# Altium PCB 原理图.PcbDoc
Units mm, origin at the board's own origin, x right, y up, seen from the top; angles counter-clockwise.
Board outline 150.37 x 30.35 mm, 2 copper layers (Top Layer, Bottom Layer); 65 components, 56 nets, 199 pads, 28 vias.
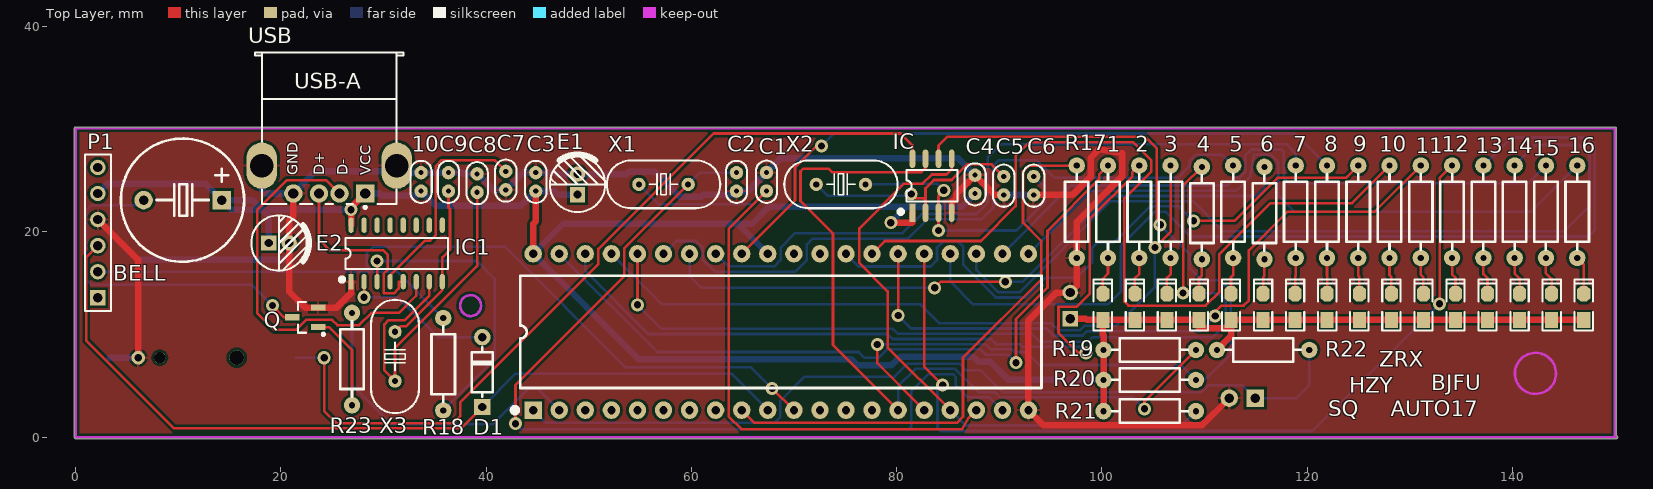
[diagram p0: Top Layer view]
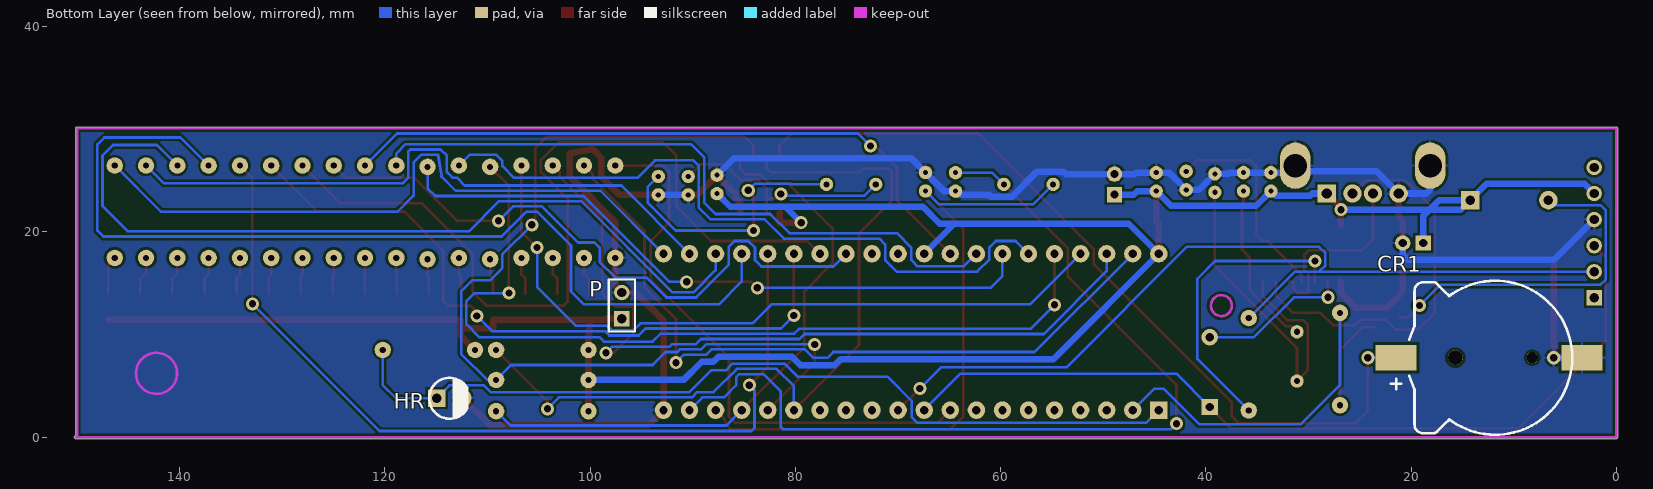
[diagram p1: Bottom Layer view, seen from below]
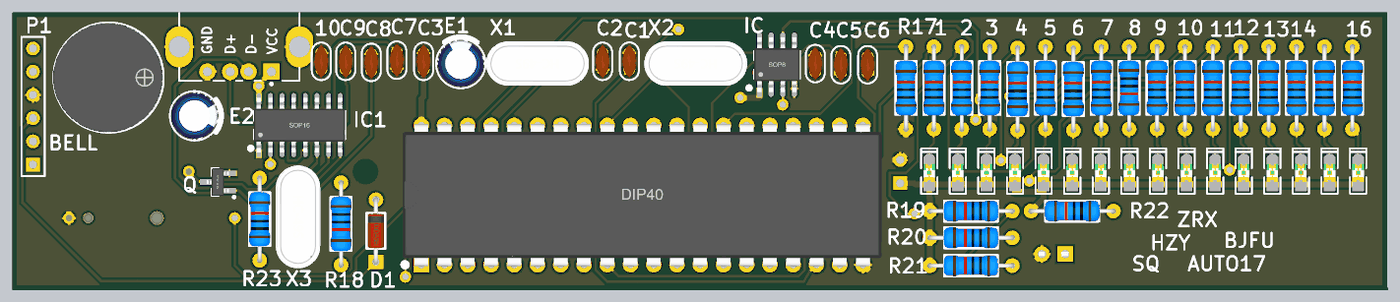
[diagram p2: 3D render of the assembled board from above, using the file's embedded part models]

## Layer stack, top to bottom
Top Solder: solder mask 0.0102, Solder Resist, Dk 3.5
Top Layer: signal copper 0.0356
Dielectric 1: dielectric 0.32, FR-4, Dk 4.8
Bottom Layer: signal copper 0.0356
Bottom Solder: solder mask 0.0102, Solder Resist, Dk 3.5

## Board outline
0,-0.127 cw(c0,0) -0.127,0 -0.127,30.099 cw(c0,30.099) 0,30.226 149.987,30.226 cw(c149.987,30.099) 150.114,30.099 150.114,0.127 cw(c150.114,0) 150.241,0 cw(c150.114,0) 150.114,-0.127

## Design rules (kind name [scope] priority, off if disabled: settings)
Clearance [All] p1: gap=0.254 ignorepadtopadclearanceinfootprint=TRUE except(0: Arc-Hole Track-Hole SMDPad-Hole THPad-Hole Via-Hole Fill-Hole Poly-Hole Region-Hole Text-Hole)
PolygonConnect [All] p1: connectstyle=Relief reliefconductorwidth=0.254 reliefentries=4 polygonreliefangle="90 Angle" airgapwidth=0.254
RoutingVias [All] p1: holewidth=0.711 width=1.27 viastyle="Through Hole" minholewidth=0.711 minwidth=1.27 maxholewidth=0.711 maxwidth=1.27
SolderMaskExpansion [All] p1: expansion=0.102
Width Width_1 [InNetClass('New Class')] p1: maxlimit=0.635 minlimit=0.635 preferedwidth=0.635 minimp=50.000000 maximp=50.000000 favimp=50.000000
Width [All] p2: maxlimit=0.254 minlimit=0.254 preferedwidth=0.254
30 further rules are at their usual default settings.

## Classes and differential pairs
net class "New Class": GND VCC
component class yuanlitu: BELL C1 C2 C3 C4 C5 C6 C7 C8 C9 CR1 D1 E1 E2 HR IC IC1 P P1 Q R17 R18 R19 R20 R21 R22 R23

## Components (designator, comment, footprint, x,y, rotation, side; value= is the part's Value field where it differs from the comment)
1 "500" "RS 1/4W" 100.584,21.971 r90 top (schematic designator R1)
2 "500" "RS 1/4W" 103.632,21.971 r90 top (schematic designator R2)
3 "500" "RS 1/4W" 106.68,21.971 r90 top (schematic designator R3)
4 "500" "RS 1/4W" 109.728,21.844 r90 top (schematic designator R4)
5 "500" "RS 1/4W" 112.776,21.971 r90 top (schematic designator R5)
6 "500" "RS 1/4W" 115.824,21.844 r90 top (schematic designator R6)
7 "500" "RS 1/4W" 118.872,21.971 r90 top (schematic designator R7)
8 "500" "RS 1/4W" 121.92,21.971 r270 top (schematic designator R8)
9 "500" "RS 1/4W" 124.968,21.971 r90 top (schematic designator R9)
10 "500" "RS 1/4W" 128.016,21.971 r90 top (schematic designator R10)
10 "0.1uF" "CC 1.8*3.6" 33.655,24.881 r90 top (schematic designator C10)
11 "500" "RS 1/4W" 131.064,21.971 r90 top (schematic designator R11)
12 "500" "RS 1/4W" 134.112,21.971 r90 top (schematic designator R12)
13 "500" "RS 1/4W" 137.16,21.971 r90 top (schematic designator R13)
14 "500" "RS 1/4W" 140.208,21.971 r90 top (schematic designator R14)
15 "500" "RS 1/4W" 143.256,21.971 r90 top (schematic designator R15)
16 "500" "RS 1/4W" 146.304,21.971 r90 top (schematic designator R16)
BELL "DC5V" "BEEP 7.6X12X7.5" 10.414,23.114 r90 top
C1 "20p" "CC 1.8*3.6" 67.31,24.892 r270 top
C2 "20p" "CC 1.8*3.6" 64.389,24.881 r90 top
C3 "104" "CC 1.8*3.6" 44.831,24.881 r90 top
C4 "104" "CC 1.8*3.6" 87.63,24.638 r90 top
C5 "20p" "CC 1.8*3.6" 90.424,24.511 r90 top
C6 "20p" "CC 1.8*3.6" 93.345,24.511 r90 top
C7 "0.01uF" "CC 1.8*3.6" 41.91,25.008 r90 top
C8 "22P" "CC 1.8*3.6" 39.116,24.765 r90 top
C9 "22P" "CC 1.8*3.6" 36.322,24.881 r90 top
CR1 "1220" CR1220_A 11.795,7.747 r0 bottom
D1 "1N4148" DO-35 39.624,6.35 r90 top
E1 "10uF" "CAP 2.0*5*11" 48.895,24.638 r90 top
E2 "10uF" "CAP 2.0*5*11" 19.812,18.923 r0 top
HR "红色" "LED 3MM-R" 113.665,3.81 r180 bottom
IC "DS1302" SOP8_N 83.439,24.511 r90 top
IC1 "CH340G" SOP16_L 31.279,17.907 r90 top
LED1 "红色" "LED 0805R" 100.076,12.7 r90 top
LED2 "红色" "LED 0805R" 103.2,12.7 r90 top
LED3 "红色" "LED 0805R" 106.324,12.7 r90 top
LED4 "红色" "LED 0805R" 109.449,12.7 r90 top
LED5 "红色" "LED 0805R" 112.573,12.7 r90 top
LED6 "红色" "LED 0805R" 115.697,12.7 r90 top
LED7 "红色" "LED 0805R" 118.821,12.7 r90 top
LED8 "红色" "LED 0805R" 121.945,12.7 r90 top
LED9 "红色" "LED 0805R" 125.07,12.7 r90 top
LED10 "红色" "LED 0805R" 128.194,12.7 r90 top
LED11 "红色" "LED 0805R" 131.318,12.7 r90 top
LED12 "红色" "LED 0805R" 134.442,12.7 r90 top
LED13 "红色" "LED 0805R" 137.566,12.7 r90 top
LED14 "红色" "LED 0805R" 140.691,12.7 r90 top
LED15 "红色" "LED 0805R" 143.815,12.7 r90 top
LED16 "红色" "LED 0805R" 146.939,12.7 r90 top
P "Header 2" HDR1X2 96.901,11.557 r90 bottom
P1 "HC-05" HDR1X6 2.159,13.589 r90 top
Q "SS8050" SOT23-3M 23.622,11.684 r90 top
R17 "1K" "RS 1/4W" 97.536,21.971 r90 top
R18 "100" "RS 1/4W" 35.814,7.112 r270 top
R19 "10K" "RS 1/4W" 104.648,8.509 r180 top
R20 "10K" "RS 1/4W" 104.648,5.588 r180 top
R21 "10K" "RS 1/4W" 104.648,2.54 r180 top
R22 "10K" "RS 1/4W" 115.697,8.509 r180 top
R23 "10K" "RS 1/4W" 26.924,7.62 r90 top
USB "USB" USB-A/S_A 24.709,23.749 r90 top
X1 "11.0592MHz" "OSC HC-49S" 57.277,24.638 r180 top
X2 "32.768MHz" "OSC HC-49S" 74.562,24.638 r180 top
X3 "18.432MHz" "OSC HC-49S" 31.115,7.874 r270 top
? "STC12C5A32S2" DIP40-600 68.707,10.258 r90 top

## Footprints (in the part's own frame and the unit in brackets; to place one, negate y for a bottom-side part, rotate by r counter-clockwise, add the part's x,y. Pads: shape width x height; smd on the part's side, far side on the other; paste and mask are expansions set on the pad)
"BEEP 7.6X12X7.5" [mm] "6.5*12*7.5mm(脚距,直径,高度)"
  rect 1.8x1.8 hole 0.9: 1(-0.011,-3.811)
  round 1.8 hole 0.9: 2(-0.011,3.789)
  silkscreen extent -6.01,-6 5.99,6, body extent -6.01,-5.93 5.99,6.07, height 7.55
"CAP 2.0*5*11" [mm] "脚距2mm直径5mm高度11mm"
  rect 1.5x1.5 hole 0.8: 1(-1,0)
  round 1.5 hole 0.8: 2(1,0)
  silkscreen extent -2.7,-2.7 2.96,2.7, body extent -2.5,-2.5 2.51,2.5, height 11.04
"CC 1.8*3.6" [mm] "脚距1.8mm直径3.6mm"
  round 1.3 hole 0.5: 1(-0.9,0) 2(0.9,0)
  silkscreen extent -2.05,-1.04 2.05,1.04, body extent -1.8,-0.8 1.8,0.8, height 3.6
CR1220_A [mm] "纽扣电池座"
  round 1.1 hole 1.1: 0(-3.6,0)
  round 1.45 hole 1.45: 0(3.9,0)
  rect 4x2.5 smd: 1(9.652,0) 2(-8.458,0)
  silkscreen extent -7.5,-7.5 10.16,7.5, body extent -9.42,-7.45 10.34,7.45, height 4.05
DIP40-600 [mm] "52*15.2*4mm(长宽高)"
  rect 1.7x1.7 hole 0.8: 1(-7.62,24.13)
  round 1.7 hole 0.8: 2(-7.62,21.59) 3(-7.62,19.05) 4(-7.62,16.51) 5(-7.62,13.97) 6(-7.62,11.43) 7(-7.62,8.89) 8(-7.62,6.35) 9(-7.62,3.81) 10(-7.62,1.27) 11(-7.62,-1.27) 12(-7.62,-3.81) 13(-7.62,-6.35) 14(-7.62,-8.89) 15(-7.62,-11.43) 16(-7.62,-13.97) 17(-7.62,-16.51) 18(-7.62,-19.05) 19(-7.62,-21.59) 20(-7.62,-24.13) 21(7.62,-24.13) 22(7.62,-21.59) 23(7.62,-19.05) 24(7.62,-16.51) 25(7.62,-13.97) 26(7.62,-11.43) 27(7.62,-8.89) 28(7.62,-6.35) 29(7.62,-3.81) 30(7.62,-1.27) 31(7.62,1.27) 32(7.62,3.81) 33(7.62,6.35) 34(7.62,8.89) 35(7.62,11.43) 36(7.62,13.97) 37(7.62,16.51) 38(7.62,19.05) 39(7.62,21.59) 40(7.62,24.13)
  silkscreen extent -7.87,-25.4 5.46,26.16, body extent -7.78,-26.18 7.78,26.18, height 4.7
DO-35 [mm] "1.8*6.8mm(直径，脚距）"
  rect 1.6x1.6 hole 0.8: 1(-3.4,0)
  round 1.6 hole 0.8: 2(3.4,0)
  silkscreen extent -2.41,-1.02 2.41,1.02, body extent -3.65,-0.9 3.65,0.9, height 1.85
HDR1X2 [mm] "Connector; Header; 2 Position"
  rect 1.5x1.5 hole 0.9: 1(0,0)
  round 1.5 hole 0.9: 2(2.54,0)
  silkscreen extent -1.27,-1.27 3.81,1.27
HDR1X6 [mm] "Connector; Header; 6 Position"
  rect 1.5x1.5 hole 0.9: 1(0,0)
  round 1.5 hole 0.9: 2(2.54,0) 3(5.08,0) 4(7.62,0) 5(10.16,0) 6(12.7,0)
  silkscreen extent -1.27,-1.27 13.97,1.27
"LED 3MM-R" [mm] "红色3mm直插LED"
  rect 1.7x1.7 hole 0.9: 1(-1.27,0)
  round 1.7 hole 0.9: 2(1.27,0)
  silkscreen extent -2.01,-2 1.72,1.98, body extent -1.95,-1.95 1.64,1.95, height 5.55
"LED 0805R" [mil] "红色0805LED"
  rect 60x50 smd: 1(-50,0)
  oct 60x50 smd: 2(50,0)
  silkscreen extent -90,-35 105,35, body extent -39,-25 39,25, height 32
"OSC HC-49S" [mm]
  round 1.3 hole 0.6: 1(-2.4,0) 2(2.4,0)
  silkscreen extent -5.52,-2.32 5.52,2.33, body extent -5.52,-2.32 5.53,2.33, height 4.13
"RS 1/4W" [mm] "直插色环电阻，脚距9mm，直径2.3mm"
  round 1.6 hole 0.6: 1(-4.5,0) 2(4.5,0)
  silkscreen extent -3.68,-1.14 3.68,1.14, body extent -4.72,-1.16 4.73,1.16, height 2.32
SOP8_N [mm] "5*6*1.8mm（长宽高）"
  rect 1.8x0.55 smd: 1(-2.625,1.905)
  oval 1.8x0.55 smd: 2(-2.625,0.635) 3(-2.625,-0.635) 4(-2.625,-1.905) 5(2.625,-1.905) 6(2.625,-0.635) 7(2.625,0.635) 8(2.625,1.905)
  silkscreen extent -2.69,-2.5 1.52,3.2, body extent -3,-2.5 3,2.5, height 1.9
SOP16_L [mm] "10.3*6.2*1.8mm（长宽高）"
  rect 1.5x0.5 smd: 1(-2.752,4.445)
  oval 1.5x0.5 smd: 2(-2.752,3.175) 3(-2.752,1.905) 4(-2.752,0.635) 5(-2.752,-0.635) 6(-2.752,-1.905) 7(-2.752,-3.175) 8(-2.752,-4.445) 9(2.752,-4.445) 10(2.752,-3.175) 11(2.752,-1.905) 12(2.752,-0.635) 13(2.752,0.635) 14(2.752,1.905) 15(2.752,3.175) 16(2.752,4.445)
  silkscreen extent -2.69,-5 1.52,5.49, body extent -3,-5 3,5, height 1.9
SOT23-3M [mm] "3x1.3x1mm(长宽高)"
  rect 0.6x1.4 smd: 1(-0.95,0) 2(0.95,0) 3(0,2.514)
  silkscreen extent -1.78,-0.63 1.5,1.97, body extent -1.5,0.07 1.5,2.47, height 1.05
USB-A/S_A [mm] "A型直插母头，"
  rect 1.8x1.8 hole 1: 1(0,-3.5)
  round 1.8 hole 1: 2(0,-1) 3(0,1) 4(0,3.5)
  oval 4.5x3 hole 2.3: 4(2.71,6.57) 4(2.71,-6.57)
  silkscreen extent -1.47,-7.25 13.75,7.25, body extent -0.6,-7.34 13.7,7.34, height 6.8

## Part data
1 2 3 4 5 6 7 8 9 10 11 12 13 14 15 16 R17 R18 R19 R20 R21 R22 R23: library part R-CRR, "直插色环电阻"
10 C1 C2 C3 C4 C5 C6 C7 C8 C9: library part C-CC, "直插瓷片电容"
BELL: library part BEEP, "蜂鸣器"
CR1: library part CR-3V, "微型电池"
D1: "高速开关二极管"
E1 E2: library part C-CAP, "直插电解电容"
HR: library part LED-3MM, "插件LED", BOM名称=插件, 学习资源=www.ooocke.
IC: "实时时钟芯片", BOM名称=ÊµÊ±Ê, 学习资源=www.ooocke.
IC1: "串口转USB", BOM名称=´®¿Ú×, 学习资源=www.ooocke.
LED1 LED2 LED3 LED4 LED5 LED6 LED7 LED8 LED9 LED10 LED11 LED12 LED13 LED14 LED15 LED16: library part LED-SMD, "贴片LED", BOM名称=贴片, 学习资源=www.ooocke.
P: "Header, 2-Pin", LatestRevisionDate=17-Jul-2002, LatestRevisionNote="Re-released for DXP Platform.", Publisher="Altium Limited"
P1: library part "Header 6", "Header, 6-Pin", LatestRevisionDate=17-Jul-2002, LatestRevisionNote="Re-released for DXP Platform.", Publisher="Altium Limited"
Q: library part 8050-SMD, "高频放大-NPN型", BOM名称=高频放大, 学习资源=www.ooocke., 属性="40V 1.5A 1W 100MH"
USB: library part USB-A/S, "USB-A型母接口", BOM名称=USB-AÐÍÄ, 学习资源=www.ooocke.
X1 X2 X3: library part XTAL-2P, "2脚无源脚晶振", BOM名称=2½ÅÎÞÔ, 学习资源=www.ooocke.
?: library part STC89C52RC, "STC单片机", BOM名称=STC单, 学习资源=www.ooocke.

## Via types
v1: diameter 1.27, hole 0.711, Top Layer to Bottom Layer, 28 vias

## Nets (pads, with @x,y where several pads share a name; then routed paths per layer and width w, separated by ;. In a path a pad name is that pad's centre, name@x,y a point inside that pad or via, vN(x,y) a via of type N, cw(c..) or ccw(c..) an arc to the next point about the centre after c; other vN are vias at no path point)
GND: 10.2@33.655,25.781 ?.20 C1.1 C2.1 C3.2 C4.2 C5.1 C6.1 C7.1 C8.2 C9.2 CR1.2 E1.2 E2.2 HR.2 IC1.1 IC.4 P1.4 P.2 Q.2 R17.1 USB.4 | length 209.8
  Top Layer w0.635: P1.4 6.096,17.272 v1(6.096,7.747) ; USB.4@21.209,23.749 21.209,21.53 20.812,21.133 E2.2 20.812,14.174 22.352,12.634 Q.2 25.425,12.634 26.834,14.043 IC1.1 ; IC.4 85.344,22.847 85.788,23.292 85.788,23.697 C4.2 89.557,23.611 C5.1 ; C6.1 97.118,23.611 98.907,25.4 98.907,27.242 99.72,28.055 101.955,27.668 101.955,25.4 97.536,20.981 R17.1 97.536,14.732 P.2 95.56,14.097 92.837,11.374 ?.20 94.307,1.168 109.753,1.168 HR.2
  Bottom Layer w0.635: P1.4 6.096,17.272 20.304,17.272 20.812,17.78 E2.2 ; CR1.2 v1(6.096,7.747) ; USB.4@18.139,26.459 18.139,24.13 18.52,23.749 21.209,23.749 23.368,25.908 31.279,25.908 31.279,26.459 31.957,25.781 33.655,25.781 C9.2 37.643,25.781 37.759,25.665 C8.2 40.673,24.108 C7.1 43.583,25.781 C3.2 46.787,25.781 46.93,25.638 E1.2 53.645,25.638 53.889,25.883 56.439,25.883 58.905,23.416 60.909,23.416 61.115,23.622 64.389,23.622 C2.1 65.499,23.981 C1.1 68.683,27.165 86.003,27.165 C4.2 ; C5.1 C6.1
Net_9: ?.9 R17.2 | length 55.6
  Top Layer w0.254: ?.9 66.138,1.397 85.852,1.397 86.462,2.007 86.462,7.765 94.082,15.385 94.082,19.126 92.304,20.904 92.304,25.908 92.867,26.471 R17.2
Net_15: ?.15 IC.7 R19.1 | length 77.2
  Top Layer w0.254: ?.15 73.787,8.988 73.787,19.844 70.623,23.008 70.623,25.908 70.892,26.177 73.356,26.177 73.701,25.832 82.398,25.832 82.804,26.238 IC.7 ; v1(104.14,2.769) 104.14,3.501 R19.1
  Bottom Layer w0.254: ?.15 80.137,4.982 81.81,6.655 85.7,6.655 87.96,4.394 89.56,4.394 90.068,3.886 103.022,3.886 v1(104.14,2.769)
Net_16: ?.16 IC.6 R20.1 | length 92.6
  Top Layer w0.254: v1(78.105,9.042) 78.105,7.21 ?.16 ; IC.6 84.074,28.423 84.913,29.262 104.219,29.262 105.321,28.16 105.321,21.044 v1(105.664,20.701)
  Bottom Layer w0.254: v1(78.105,9.042) 78.13,9.068 88.671,9.068 89.179,8.56 91.237,8.56 91.491,8.306 92.634,8.306 93.904,7.036 107.7,7.036 R20.1 110.007,5.588 112.547,8.128 112.547,14.224 111.481,15.291 109.728,15.291 108.534,16.485 108.534,17.831 v1(105.664,20.701)
Net_17: ?.17 IC.5 R21.1 | length 58.9
  Top Layer w0.254: ?.17 79.121,8.734 79.121,14.224 76.352,16.993 76.352,20.345 80.721,24.714 82.525,24.714 83.414,25.603 84.836,25.603 85.344,26.111 IC.5
  Bottom Layer w0.254: ?.17 86.712,1.143 107.751,1.143 R21.1
Net_18: ?.18 C1.2 X1.2 | length 62.8
  Top Layer w0.254: C1.2 63.627,20.309 63.627,2.032 64.872,0.787 86.36,0.787 86.992,1.873 ?.18
  Bottom Layer w0.254: X1.2 56.797,22.718 66.036,22.718 C1.2
Net_19: ?.19 C2.2 X1.1 | length 89.3
  Top Layer w0.254: v1(42.85,1.321) 42.85,5.08 53.467,15.697 53.467,18.428 X1.1
  Bottom Layer w0.254: v1(42.85,1.321) 43.383,0.787 81.204,0.787 81.407,0.991 81.407,4.477 83.077,6.147 85.459,6.147 85.75,5.856 85.75,5.08 86.944,3.886 89.049,3.886 ?.19 ; X1.1 60.82,25.781 C2.2
Net_21: 16.2 ?.21 | length 64.5
  Bottom Layer w0.254: ?.21 98.976,24.017 113.082,24.017 114.465,25.4 114.808,27.534 116.42,27.534 117.183,26.771 117.183,23.533 118.745,21.971 141.804,21.971 16.2
Net_22: 15.2 ?.22 | length 61.7
  Bottom Layer w0.254: ?.22 96.944,24.525 112.206,24.525 112.979,25.298 113.411,25.298 113.957,25.844 113.957,27.432 114.567,28.042 117.498,28.042 117.691,27.849 117.691,25.298 118.224,24.765 141.55,24.765 15.2
Net_23: 14.2 ?.23 | length 81.6
  Bottom Layer w0.254: ?.23 87.757,16.281 89.916,14.122 91.973,14.122 100.852,23.001 108.863,23.001 111.798,20.066 145.034,20.066 147.498,22.53 147.498,27.432 146.456,28.473 142.21,28.473 14.2
Net_24: 13.2 ?.24 | length 94.7
  Bottom Layer w0.254: ?.24 85.217,15.164 87.427,12.954 100.584,12.954 101.854,14.224 101.854,18.683 105.156,21.985 106.172,21.985 108.599,19.558 147.422,19.558 148.006,20.142 148.006,28.524 147.32,29.21 139.899,29.21 13.2
Net_25: 12.2 ?.25 | length 86.1
  Top Layer w0.254: ?.25 82.677,6.883 v1(84.48,5.08) ; v1(132.893,13.005) 132.893,25.252 12.2
  Bottom Layer w0.254: v1(84.48,5.08) 83.972,4.572 83.972,0.901 84.264,0.61 120.498,0.61 v1(132.893,13.005)
Net_26: 11.2 ?.26 | length 67.7
  Top Layer w0.254: v1(80.137,11.862) ?.26 ; v1(111.023,11.811) 111.023,12.192 111.658,12.827 113.792,12.827 114.3,13.335 114.3,18.212 118.059,21.971 126.564,21.971 11.2
  Bottom Layer w0.254: v1(80.137,11.862) 81.407,10.592 94.588,10.592 95.262,9.918 98.12,9.918 98.54,10.338 109.55,10.338 v1(111.023,11.811)
Net_27: 10.2@128.016,26.471 ?.27 | length 84
  Top Layer w0.254: ?.27 78.845,19.126 88.189,19.126 91.592,22.53 91.592,27.432 92.914,28.754 103.038,28.754 104.813,26.979 104.813,25.908 102.184,23.279 102.184,13.208 102.565,12.827 110.084,12.827 111.43,14.173 111.43,17.831 116.408,22.809 124.354,22.809 10.2@128.016,26.471
Net_28: 9.2 ?.28 | length 62.8
  Top Layer w0.254: v1(108.915,21.082) 112.903,21.082 117.094,25.273 123.77,25.273 9.2
  Bottom Layer w0.254: ?.28 76.298,16.637 83.312,16.637 83.922,17.247 83.922,18.466 84.582,19.126 85.903,19.126 86.487,18.542 86.487,16.789 89.662,13.614 92.559,13.614 94.49,15.545 97.536,15.545 99.06,17.069 99.06,18.466 99.568,18.974 101.168,18.974 104.688,22.493 107.504,22.493 v1(108.915,21.082)
Net_32: 8.1 ?.32 | length 65.1
  Top Layer w0.254: ?.32 70.088,23.069 70.088,26.299 72.161,28.372 v1(72.669,28.372)
  Bottom Layer w0.254: v1(72.669,28.372) 73.888,29.591 118.8,29.591 8.1
Net_33: 7.2 ?.33 | length 66.8
  Bottom Layer w0.254: ?.33 63.588,16.647 68.072,16.647 68.682,17.257 68.682,18.461 70.104,19.884 80.584,19.884 82.448,21.748 87.763,21.748 88.885,22.87 88.885,27.29 90.145,28.55 117.962,28.55 118.872,27.639 7.2
Net_34: 6.2 ?.34 | length 64.8
  Top Layer w0.254: v1(83.693,14.554) 84.277,15.138 v1(90.576,15.138)
  Bottom Layer w0.254: ?.34 59.817,15.697 60.96,14.554 v1(83.693,14.554) ; v1(90.576,15.138) 92.271,15.138 100.642,23.509 115.076,23.509 115.824,24.257 6.2
Net_35: 5.2 ?.35 | length 68.1
  Bottom Layer w0.254: ?.35 58.525,19.126 60.452,19.126 61.087,18.491 61.087,17.323 62.271,16.139 70.114,16.139 71.247,17.272 71.247,18.796 71.808,19.357 81.11,19.357 82.993,21.24 88.281,21.24 89.393,22.352 89.393,26.441 89.926,26.975 93.675,26.975 95.377,25.273 107.391,25.273 108.534,26.416 108.534,26.924 109.144,27.534 111.713,27.534 5.2
Net_36: 4.2 ?.36 | length 84.2
  Top Layer w0.254: v1(54.737,12.903) ?.36 ; v1(107.899,14.046) 107.899,24.515 4.2
  Bottom Layer w0.254: v1(54.737,12.903) 57.074,10.566 79.629,10.566 80.112,10.084 93.153,10.084 93.915,9.322 98.642,9.322 99.048,9.728 110.744,9.728 112.039,11.024 112.039,13.259 111.252,14.046 v1(107.899,14.046)
Net_37: 3.2 ?.37 | length 70.3
  Top Layer w0.254: v1(105.156,18.491) 106.68,20.015 3.2
  Bottom Layer w0.254: ?.37 57.121,12.954 82.321,12.954 84.176,11.1 95.096,11.1 95.77,10.426 97.878,10.426 98.298,10.846 101.371,10.846 105.156,14.63 v1(105.156,18.491)
Net_38: 2.2 ?.38 | length 77.9
  Top Layer w0.254: v1(98.45,8.23) 97.688,8.23 95.758,10.16 95.758,12.7 97.536,12.7 98.806,13.97 98.806,21.244 102.934,25.372 102.934,25.773 2.2
  Bottom Layer w0.254: ?.38 49.657,16.18 55.778,10.058 79.121,10.058 79.604,9.576 89.179,9.576 89.687,9.068 91.994,9.068 92.248,8.814 97.866,8.814 v1(98.45,8.23)
Net_39: 1.2 ?.39 | length 72.5
  Top Layer w0.254: v1(91.618,7.264) 91.618,11.506 94.69,14.579 94.69,20.104 99.724,25.139 99.724,25.611 1.2
  Bottom Layer w0.254: ?.39 56.689,8.306 76.29,8.306 76.861,7.734 78.241,7.734 79.067,8.56 88.163,8.56 88.671,8.052 90.83,8.052 v1(91.618,7.264)
NetBELL_2: BELL.2 Q.3 | length 34.7
  Top Layer w0.254: v1(19.177,12.827) 20.32,11.684 Q.3
  Bottom Layer w0.254: BELL.2 6.625,22.606 1.524,22.606 1.016,22.098 1.016,15.367 1.524,14.859 17.145,14.859 v1(19.177,12.827)
NetC5_2: C5.2 IC.2 X2.2 | length 22.9
  Top Layer w0.254: v1(81.407,23.698) 81.813,23.292 82.55,23.292 82.804,23.038 ; IC.2 82.804,23.038 ; C5.2 89.241,26.594 86.868,26.594 85.344,25.07 83.617,25.07 82.804,24.257 82.804,23.038
  Bottom Layer w0.254: X2.2 73.254,23.546 81.255,23.546 v1(81.407,23.698)
NetC6_2: C6.2 IC.3 X2.1 | length 26.5
  Top Layer w0.254: v1(84.074,20.142) IC.3 84.074,23.546 v1(84.582,24.054)
  Bottom Layer w0.254: X2.1 80.396,24.638 80.472,24.714 83.922,24.714 v1(84.582,24.054) ; v1(84.074,20.142) 91.669,20.142 94.386,22.86 94.386,24.37 C6.2
NetC7_2: C7.2 IC1.4 | length 20.9
  Top Layer w0.254: IC1.4 30.644,15.778 34.018,19.152 34.544,19.152 35.093,19.701 35.093,26.416 35.667,26.99 40.828,26.99 C7.2
NetC8_1: C8.1 IC1.7 X3.2 | length 34.6
  Top Layer w0.254: IC1.7 34.454,13.792 32.066,11.405 30.48,11.405 30.074,10.998 30.074,6.515 X3.2 31.115,8.687 39.116,16.688 C8.1
NetC9_1: C9.1 IC1.8 X3.1 | length 16.3
  Top Layer w0.254: X3.1 31.661,10.82 32.212,10.82 35.724,14.333 IC1.8 35.724,17.526 36.474,18.276 36.474,22.225 36.322,22.377 C9.1
NetCR1_1: CR1.1 IC.8 | length 80.9
  Top Layer w0.254: v1(24.206,7.747) 24.206,2.565 25.4,1.372 36.805,1.372 37.465,2.032 37.465,3.404 50.927,16.866 50.927,18.364 62.154,29.591 80.391,29.591 81.534,28.448 IC.8
  Bottom Layer w0.254: CR1.1 v1(24.206,7.747)
NetD1_2: D1.2 IC1.2 | length 14.7
  Top Layer w0.254: v1(28.092,13.64) 28.104,13.651 IC1.2
  Bottom Layer w0.254: v1(28.092,13.64) 31.42,13.64 35.31,9.75 D1.2
NetIC1_3: IC1.3 R18.2 | length 29.1
  Top Layer w0.254: v1(29.362,17.17) 29.374,17.159 IC1.3
  Bottom Layer w0.254: v1(29.362,17.17) 39.091,17.17 40.818,15.443 40.818,7.616 R18.2
NetIC1_5: IC1.5 USB.3 | length 18.4
  Top Layer w0.254: USB.3 23.709,19.304 24.801,18.212 29.972,18.212 30.39,17.794 30.39,16.307 30.013,15.93 30.013,14.021 31.013,14.021 31.471,14.478 31.471,15.155 IC1.5
NetIC1_6: IC1.6 USB.2 | length 39.1
  Top Layer w0.254: USB.2 24.414,25.044 20.574,25.044 17.678,22.149 17.678,12.116 19.304,10.49 21.514,10.49 22.454,11.43 24.994,11.43 25.502,10.922 27.61,10.922 28.804,12.116 31.508,12.116 33.184,13.792 IC1.6
NetLED1_2: 1.1 LED1.2 | length 3.7
  Top Layer w0.254: LED1.2 100.076,15.443 100.584,15.951 1.1
NetLED2_2: 2.1 LED2.2 | length 3.7
  Top Layer w0.254: LED2.2 103.2,15.494 103.632,15.926 2.1
NetLED3_2: 3.1 LED3.2 | length 3.6
  Top Layer w0.254: LED3.2 106.324,15.519 106.68,15.875 3.1
NetLED4_2: 4.1 LED4.2 | length 3.5
  Top Layer w0.254: LED4.2 109.449,15.494 109.728,15.773 4.1
NetLED5_2: 5.1 LED5.2 | length 3.6
  Top Layer w0.254: LED5.2 112.573,15.596 112.776,15.799 5.1
NetLED6_2: 6.1 LED6.2 | length 3.4
  Top Layer w0.254: LED6.2 115.697,15.57 115.824,15.697 6.1
NetLED7_2: 7.1 LED7.2 | length 3.5
  Top Layer w0.254: LED7.2 118.821,15.672 118.872,15.723 7.1
NetLED8_2: 8.2 LED8.2 | length 3.5
  Top Layer w0.254: 8.2 121.92,15.723 121.945,15.697 LED8.2
NetLED9_2: 9.1 LED9.2 | length 3.5
  Top Layer w0.254: 9.1 124.968,15.748 125.07,15.646 LED9.2
NetLED10_2: 10.1@128.016,17.471 LED10.2 | length 3.6
  Top Layer w0.254: 10.1@128.016,17.471 128.016,15.799 128.194,15.621 LED10.2
NetLED11_2: 11.1 LED11.2 | length 3.6
  Top Layer w0.254: 11.1 131.064,15.824 131.318,15.57 LED11.2
NetLED12_2: 12.1 LED12.2 | length 3.6
  Top Layer w0.254: 12.1 134.112,15.875 134.442,15.545 LED12.2
NetLED13_2: 13.1 LED13.2 | length 3.7
  Top Layer w0.254: 13.1 137.16,15.9 137.566,15.494 LED13.2
NetLED14_2: 14.1 LED14.2 | length 3.7
  Top Layer w0.254: 14.1 140.208,15.951 140.691,15.469 LED14.2
NetLED15_2: 15.1 LED15.2 | length 3.7
  Top Layer w0.254: 15.1 143.256,15.977 143.815,15.418 LED15.2
NetLED16_2: 16.1 LED16.2 | length 3.8
  Top Layer w0.254: 16.1 146.939,16.836 LED16.2
NetQ_1: Q.1 R23.1 | length 9.6
  Top Layer w0.254: Q.1 24.668,10.734 26.924,8.478 R23.1
P1.0: ?.1 HR.1 R22.1 | length 85.3
  Bottom Layer w0.254: ?.1 45.818,1.397 68.072,1.397 68.668,1.993 68.668,3.556 71.013,5.901 79.783,5.901 81.045,7.163 86.113,7.163 86.766,6.509 88.204,6.509 90.319,4.394 109.677,4.394 110.338,5.055 113.69,5.055 HR.1 118.927,3.81 120.197,5.08 R22.1
P1.1: ?.2 R23.2 | length 31.1
  Bottom Layer w0.254: R23.2 26.924,5.08 30.734,1.27 40.64,1.27 44.094,4.724 45.031,4.724 ?.2
RXD: ?.10 D1.1 P1.3 | length 83.4
  Top Layer w0.254: P1.3 1.016,17.526 1.016,9.423 9.576,0.864 37.538,0.864 D1.1
  Bottom Layer w0.254: D1.1 42.872,6.198 63.877,6.198 ?.10
TXD: ?.11 P1.2 R18.1 | length 86.1
  Top Layer w0.254: v1(67.869,4.746) ?.11
  Bottom Layer w0.254: P1.2 28.956,16.129 ; R18.1 31.297,16.129 28.956,16.129 ; v1(67.869,4.746) 65.808,6.807 53.594,6.807 41.859,18.542 28.956,18.542 28.346,17.932 28.346,16.739 28.956,16.129
VCC: 10.1@33.655,23.981 ?.31 ?.40 BELL.1 C3.1 C4.1 E1.1 E2.1 IC1.16 IC.1 LED1.1 LED2.1 LED3.1 LED4.1 LED5.1 LED6.1 LED7.1 LED8.1 LED9.1 LED10.1 LED11.1 LED12.1 LED13.1 LED14.1 LED15.1 LED16.1 P1.5 P.1 R19.2 R20.2 R21.2 R22.2 USB.1 | length 245.7
  Top Layer w0.635: v1(26.822,22.174) v1@26.834,22.163 ; IC1.16 v1@26.834,22.163 ; USB.1 26.834,22.374 v1@26.834,22.163 ; ?.40 44.577,20.777 44.831,21.031 C3.1 ; v1(79.426,20.904) 81.534,20.904 IC.1 ; P.1 98.425,11.557 98.552,11.43 LED1.1 ; R21.2 R20.2 R19.2 100.148,9.931 100.076,10.003 LED1.1 ; R22.2 112.573,9.885 112.573,10.604 ; LED16.1 LED15.1 LED14.1 LED13.1 LED12.1 LED11.1 LED10.1 LED9.1 LED8.1 LED7.1 LED6.1 LED5.1 112.573,10.604 ; LED1.1 LED2.1 LED3.1 LED4.1 109.449,10.604 112.573,10.604
  Bottom Layer w0.635: P1.5 3.099,24.689 12.639,24.689 BELL.1 ; E2.1 18.812,21.563 18.201,22.174 ; v1(26.822,22.174) 18.201,22.174 ; USB.1 29.616,23.749 29.845,23.52 33.194,23.52 33.655,23.981 35.086,22.55 43.4,22.55 C3.1 46.685,23.981 47.028,23.638 E1.1 ; ?.31 64.512,20.803 ; v1(79.426,20.904) 80.968,22.447 ; C4.1 86.339,22.447 80.968,22.447 ; R20.2 90.888,5.588 89.123,7.353 87.973,7.353 87.465,7.861 80.346,7.861 79.521,7.036 76.163,7.036 75.591,7.607 54.848,7.607 ?.40 47.502,20.803 64.512,20.803 ; BELL.1 15.154,22.174 18.201,22.174 ; BELL.1 17.272,23.103 18.201,22.174 ; 64.512,20.803 65.913,20.803 67.557,22.447 80.968,22.447
pads on no net: ?.3 ?.4 ?.5 ?.6 ?.7 ?.8 ?.12 ?.13 ?.14 ?.29 ?.30 CR1.0 IC1.9 IC1.10 IC1.11 IC1.12 IC1.13 IC1.14 IC1.15 P1.1 P1.6

## Polygon pours and split planes (outlines as drawn)
GND on Top Layer (solid, remove dead copper, pour order 30): 0,0 153.67,0 153.67,47.117 149.987,50.8 0,50.8
no net on Top Layer "Top Layer-No Net" (solid, remove dead copper, pour order 16): 86.614,62.484
no net on Top Layer "Top Layer-No Net 1" (solid, remove dead copper, pour order 14): 89.51,39.37
no net on Top Layer "Top Layer-No Net 2" (solid, remove dead copper, pour order 12): 89.51,39.37
no net on Top Layer "Top Layer-No Net 3" (solid, remove dead copper, pour order 2): 8.255,41.021
GND on Bottom Layer (solid, remove dead copper, pour order 32): 0,0 167.513,0 165.354,2.159 165.354,58.801 1.27,58.801 0,60.071
GND on Bottom Layer (solid, remove dead copper, pour order 28): 37.973,9.525
GND on Bottom Layer (solid, remove dead copper, pour order 24): 0,0.254

## Keep-outs
Keep-Out Layer:
  circle w0.254: c142.24,6.223 r2
  circle w0.254: c38.481,12.827 r1.02
  lines w0.254: 149.987,0.127 149.987,30.099 0,30.099 0,0 150.114,0

## Silkscreen, mask and mechanical layers (free items; w line width, h text height)
Top Overlay:
  text "ZRX" at 127,6.858 h1.52
  text "BJFU" at 132.08,4.572 h1.52
  text "HZY" at 124.079,4.318 h1.52
  text "SQ" at 122.047,2.032 h1.52
  text "AUTO17" at 128.143,2.032 h1.52

## Text inside footprints (layer, text, board x,y; h text height)
USB: Top Overlay "USB-A" at 21.279,33.959 h1.52; Top Overlay "VCC" at 28.773,25.527 h1.02 r90; Top Overlay "D-" at 26.487,25.527 h1.02 r90; Top Overlay "D+" at 24.201,25.527 h1.02 r90; Top Overlay "GND" at 21.661,25.527 h1.02 r90